# Altium PCB PCB.PcbDoc (part 1 of 7) (continued)
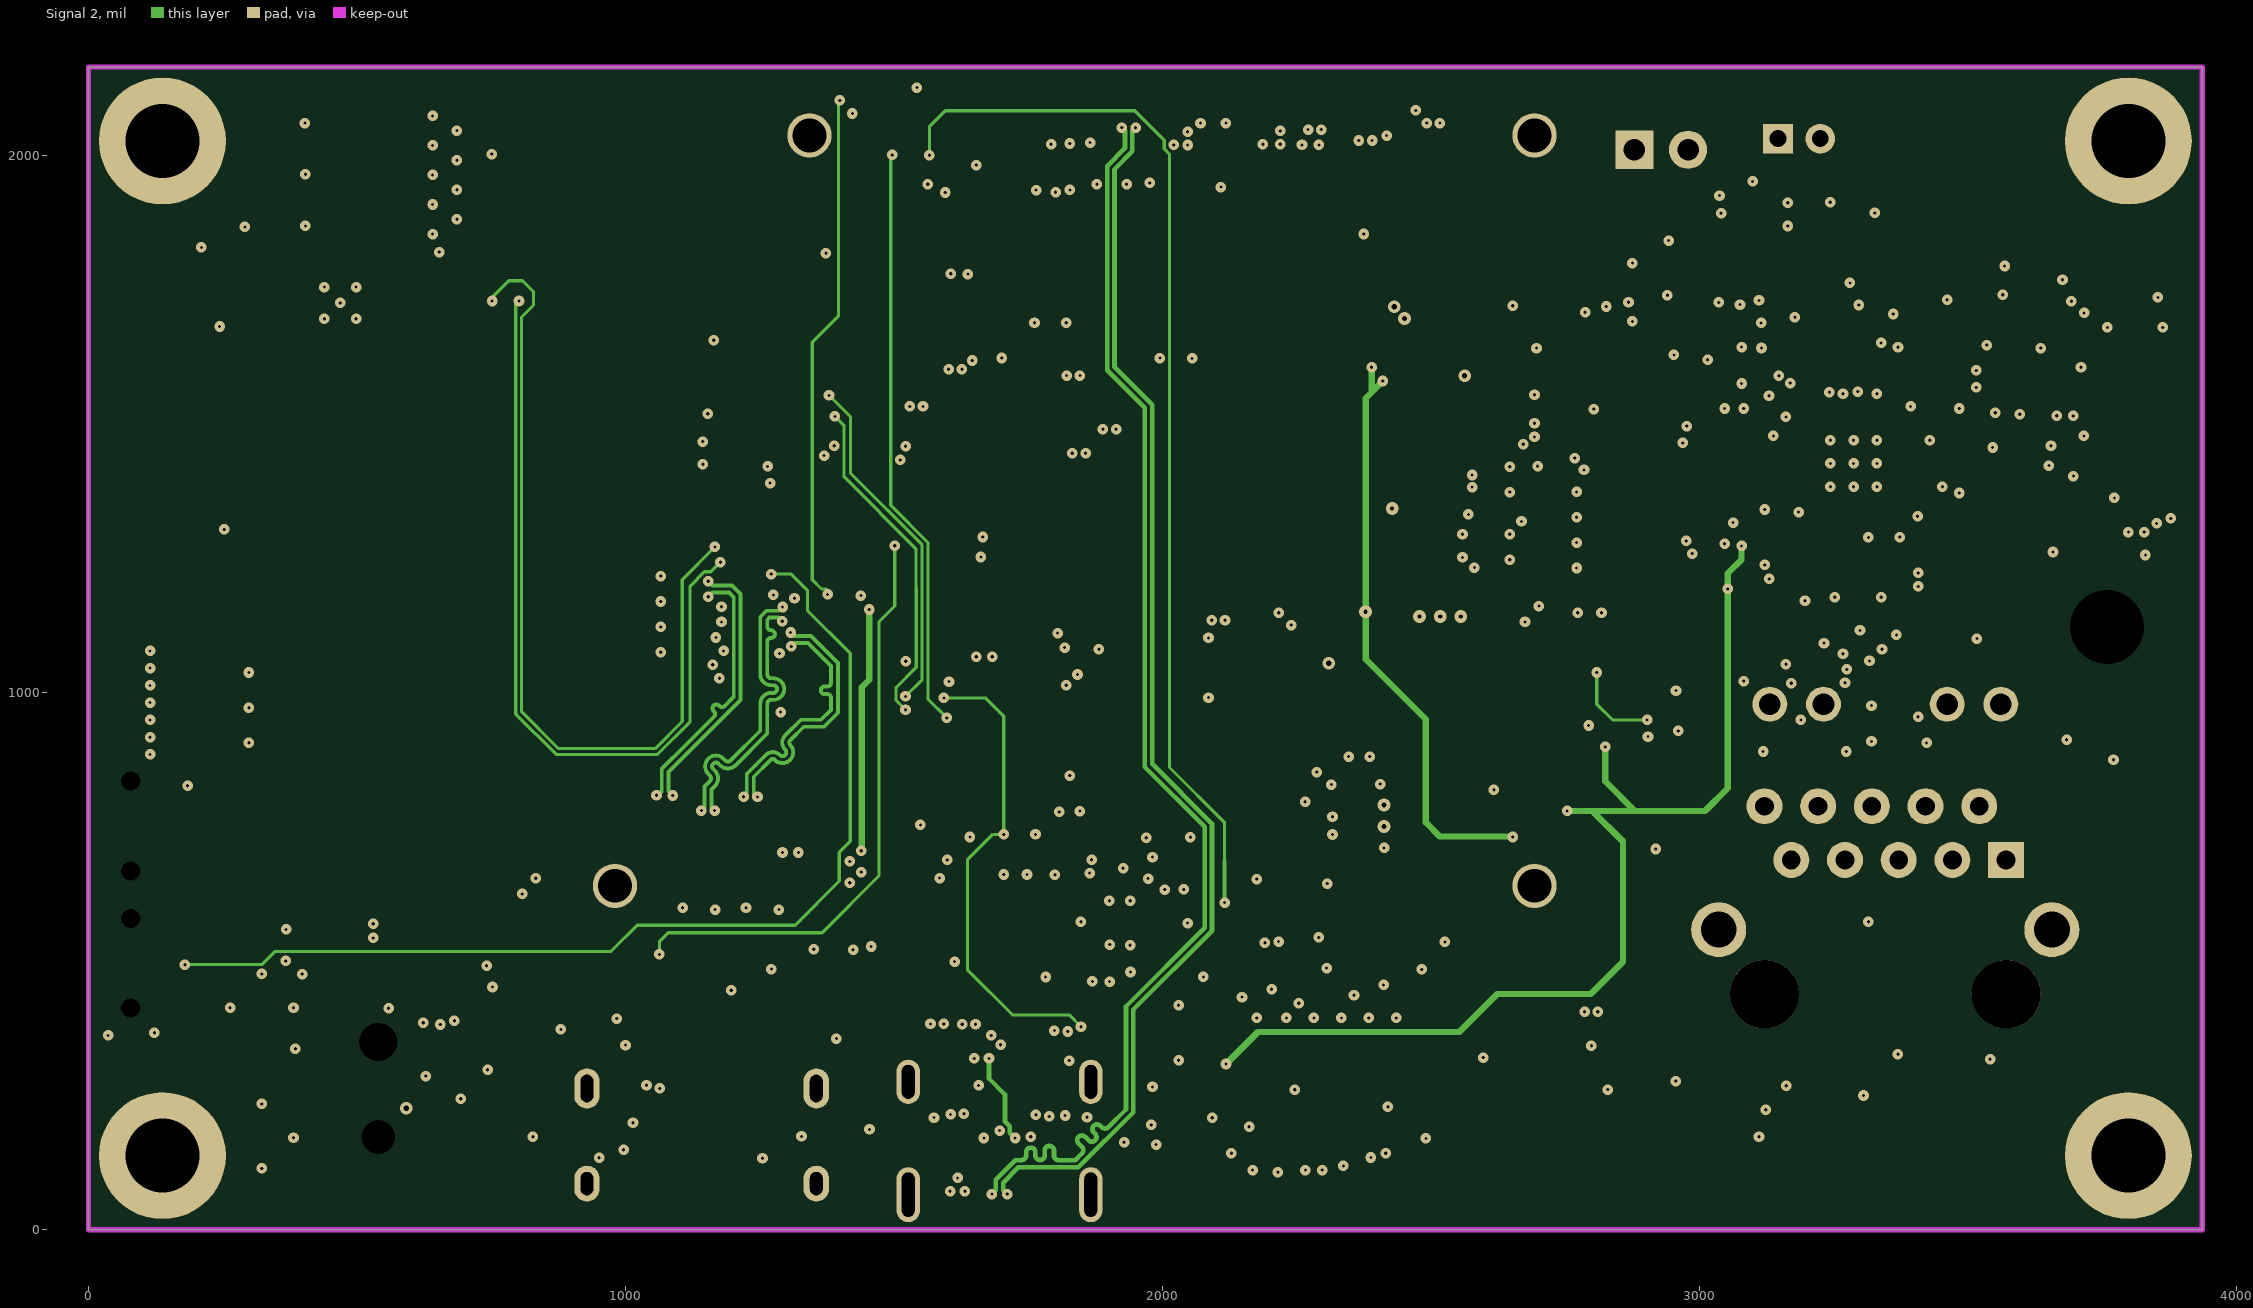
[diagram p4: Signal 2]
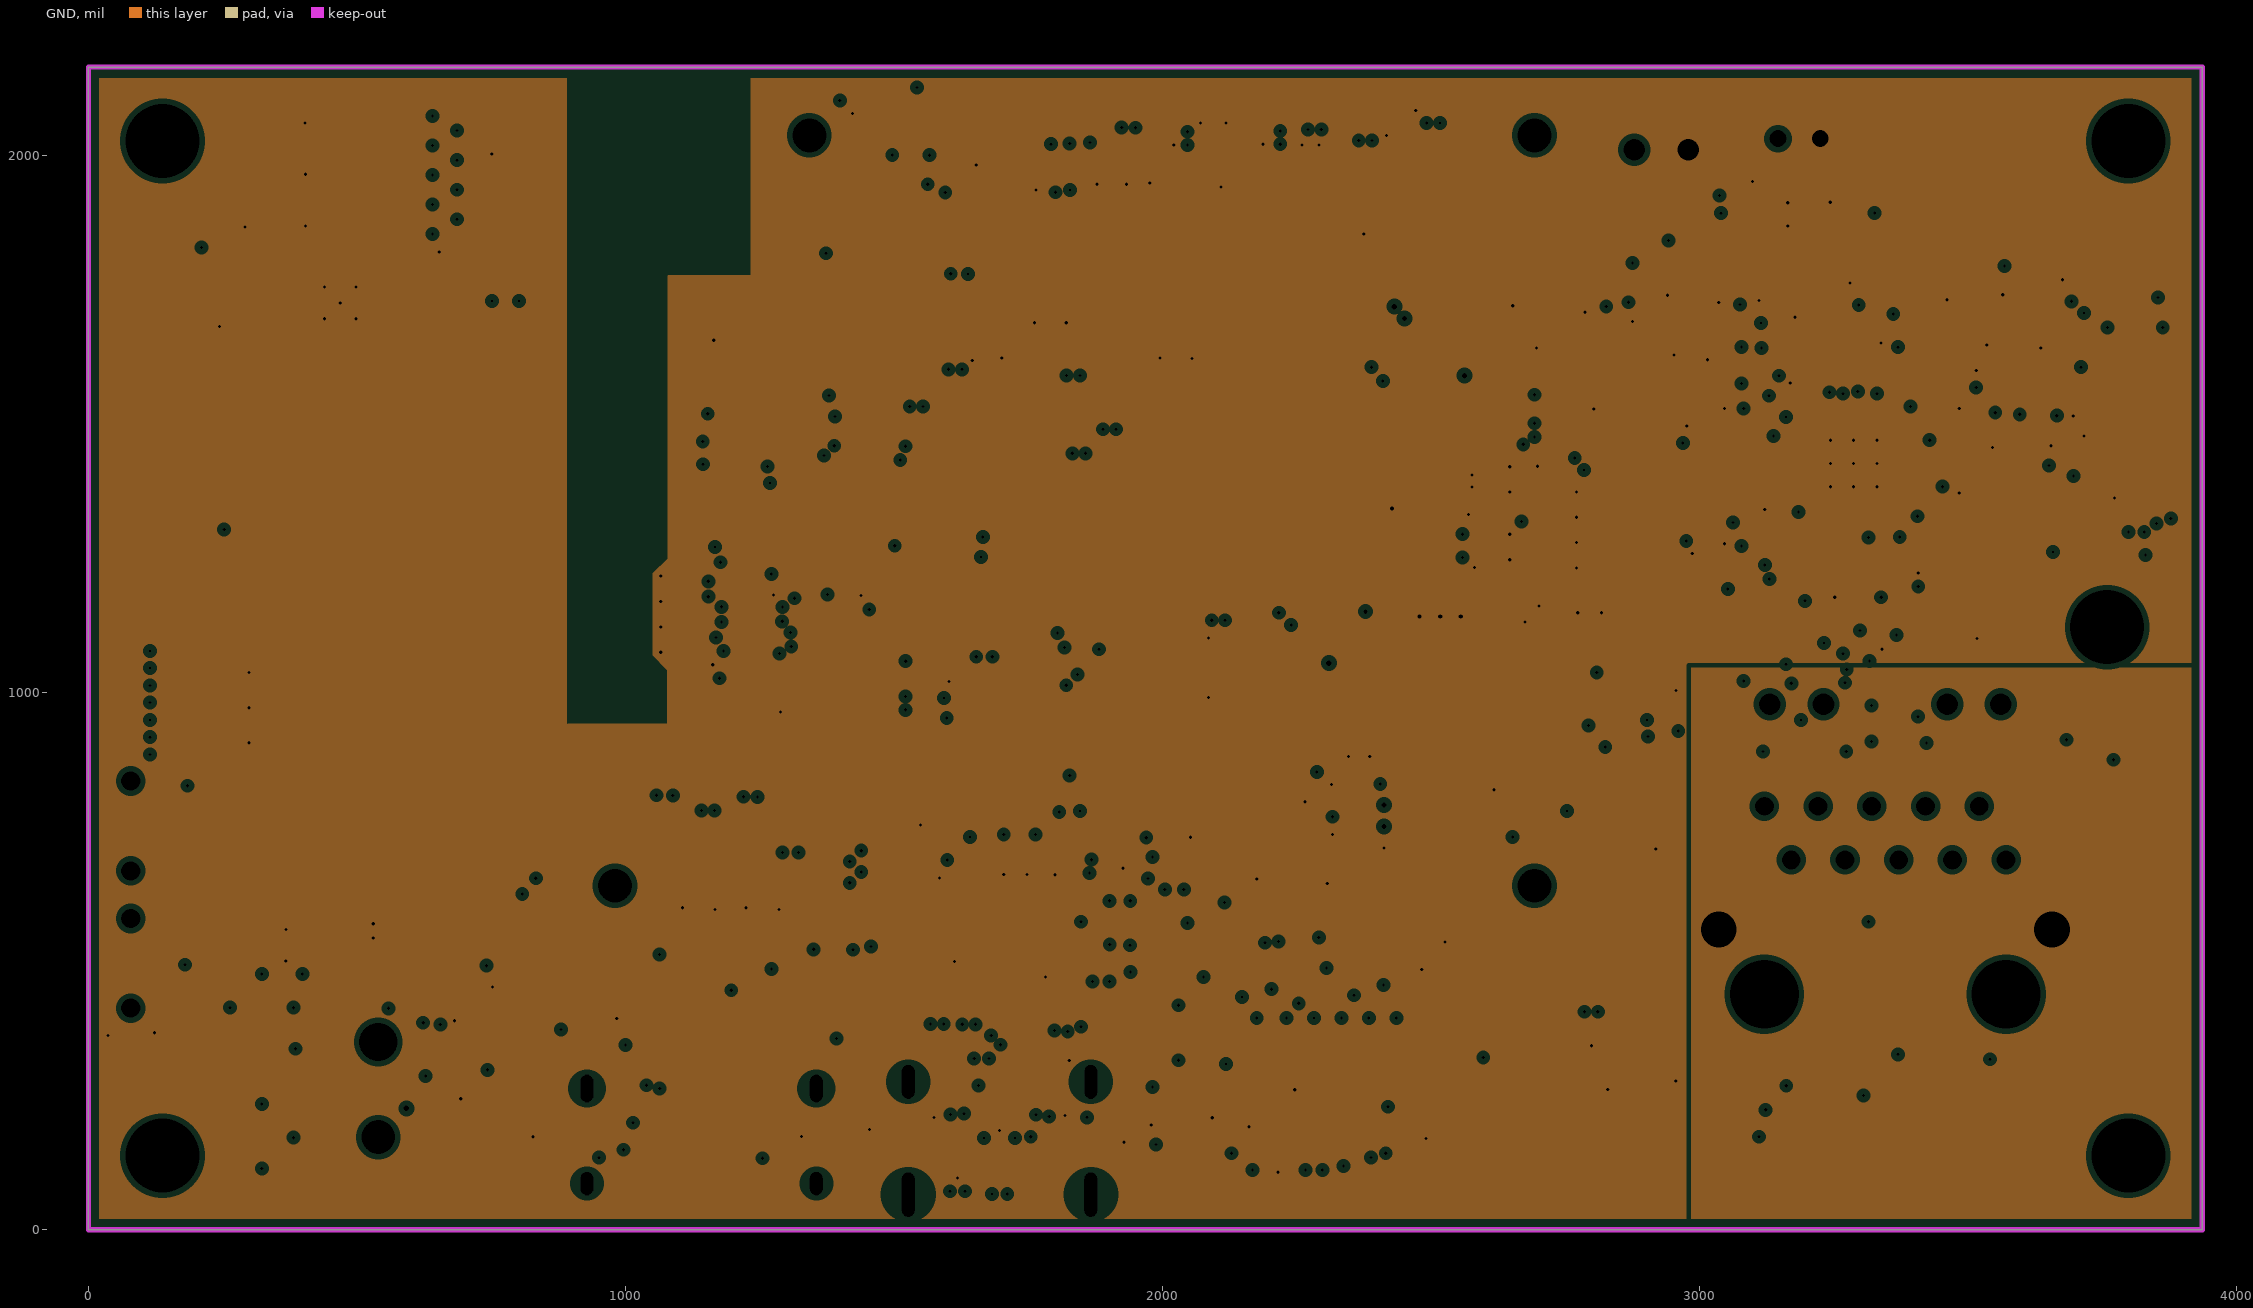
[diagram p5: GND, clearances drawn from the general rule]
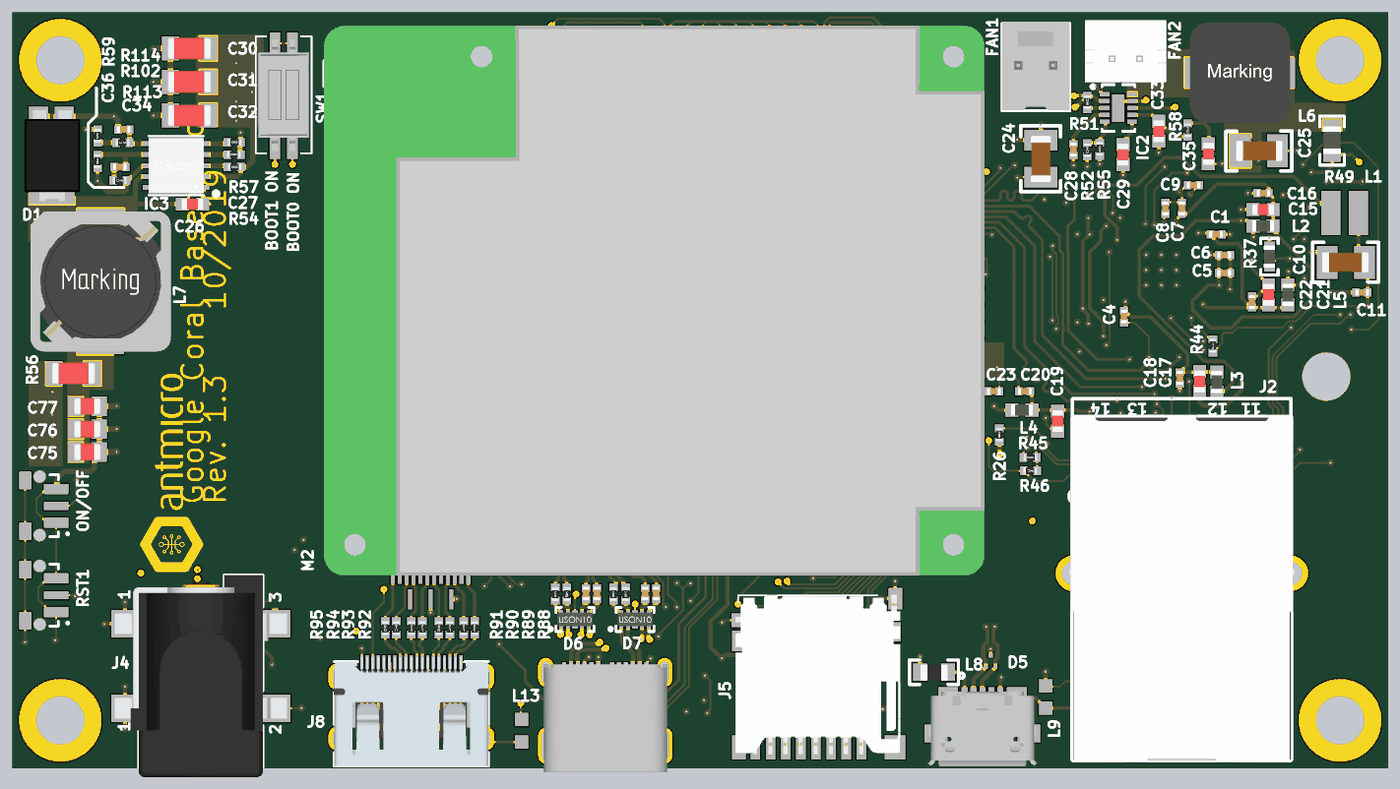
[diagram p12: 3D render of the assembled board from above, using the file's embedded part models]
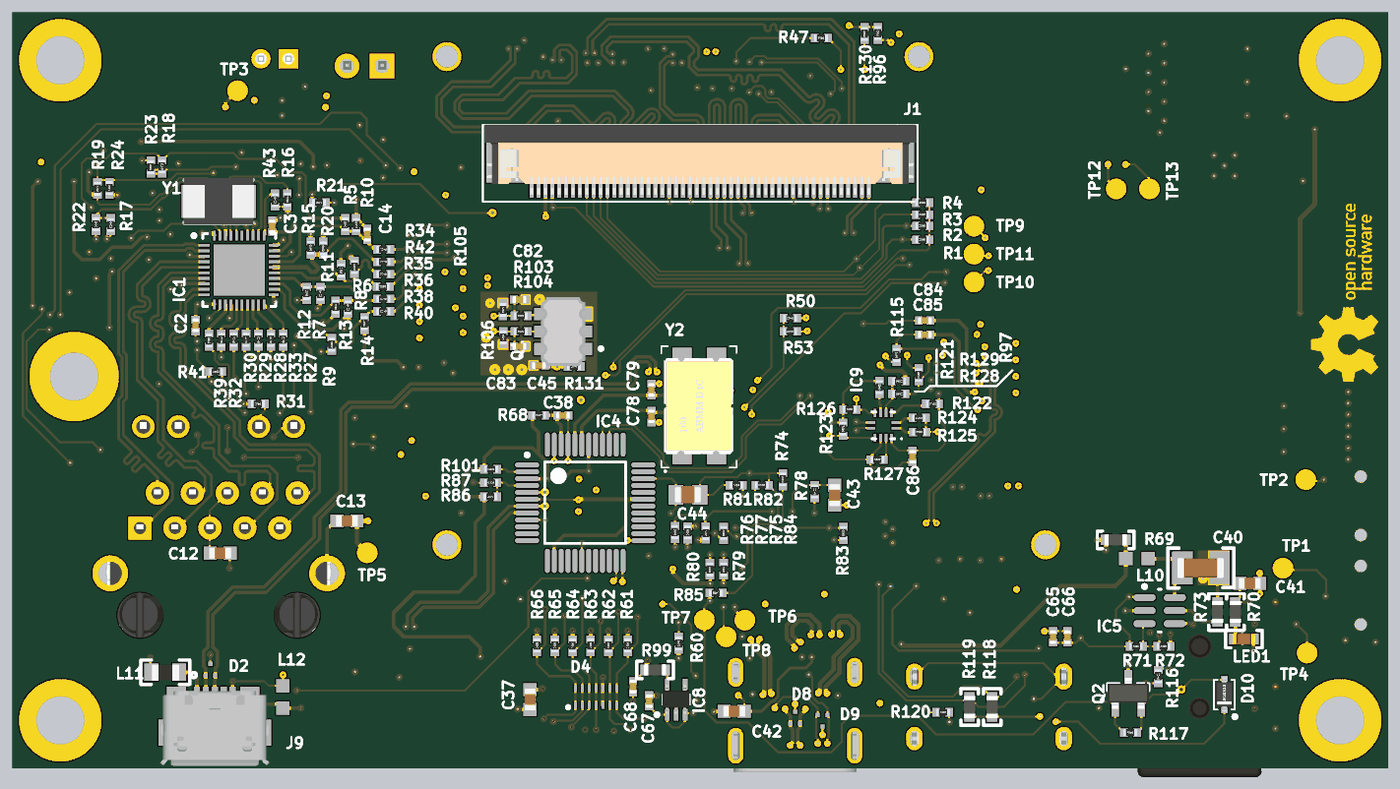
[diagram p13: 3D render of the assembled board from below, using the file's embedded part models]

## Layer stack, top to bottom
Top Solder: solder mask 0.3937, Solder Resist, Dk 3.5
Top: signal copper 1.378
Dielectric 1: prepreg 9.4488, PR2116, Dk 4.26
PWR: plane copper 1.378, net (Multiple Nets)
Dielectric 3: core 14.1732, FR4, Dk 4.2
Signal 1: signal copper 1.378
Dielectric 6: prepreg 9.4488, PR2116, Dk 4.26
Signal 2: signal copper 1.378
Dielectric 5: core 14.1732, FR4, Dk 4.2
GND: plane copper 1.378, net (Multiple Nets)
Dielectric 4: prepreg 9.4488, PR2116, Dk 4.26
Bottom: signal copper 1.378
Bottom Solder: solder mask 0.3937, Solder Resist, Dk 3.5

## Board outline
0,0 3937.01,0 3937.01,2165.35 0,2165.35

## Design rules (kind name [scope] priority, off if disabled: settings)
Clearance [All] p1: gap=4.92
DiffPairsRouting DiffPairsRouting_100 [InNetClass('Z_100')] p1: maxlimit=5.91 minlimit=5 mostfreqgap=5.91 toplayer_maxgap=5 toplayer_prefgap=5 toplayer_minwidth=7.87 toplayer_maxwidth=7.87 toplayer_prefwidth=7.87 midlayer1_mingap=5.91 midlayer1_minwidth=7.09 midlayer1_maxwidth=7.09 midlayer1_prefwidth=7.09 midlayer2_mingap=5.91 midlayer2_minwidth=7.09 midlayer2_maxwidth=7.09 midlayer2_prefwidth=7.09 bottomlayer_maxgap=5 bottomlayer_prefgap=5 bottomlayer_minwidth=7.87 bottomlayer_maxwidth=7.87 bottomlayer_prefwidth=7.87 maxuncoupledlength=500
DiffPairsRouting DiffPairsRouting_90 [InNetClass('Z_90')] p2: maxlimit=5 minlimit=5 mostfreqgap=5 toplayer_minwidth=9.84 toplayer_maxwidth=9.84 toplayer_prefwidth=9.84 midlayer1_minwidth=8.66 midlayer1_maxwidth=8.66 midlayer1_prefwidth=8.66 midlayer2_minwidth=8.66 midlayer2_maxwidth=8.66 midlayer2_prefwidth=8.66 bottomlayer_minwidth=9.84 bottomlayer_maxwidth=9.84 bottomlayer_prefwidth=9.84 maxuncoupledlength=500
HoleSize [All] p1: absolutevalues=TRUE maxlimit=157.48 minlimit=5.91 maxpercent=80.000 minpercent=20.000
MinimumAnnularRing [All] p1: minimumring=4.13
MinimumSolderMaskSliver [All] p1: minsoldermaskwidth=0
PlaneClearance [All] p1: clearance=10
PlaneConnect [All] p1: planeconnectstyle=Direct reliefexpansion=20 reliefentries=4 reliefconductorwidth=10 reliefairgap=10
PolygonConnect PolygonConnect_via [isVia] p1: connectstyle=Direct reliefconductorwidth=10 reliefentries=4 polygonreliefangle="90 Angle" airgapwidth=10
PolygonConnect [All] p2: connectstyle=Direct reliefconductorwidth=15.75 reliefentries=4 polygonreliefangle="90 Angle" airgapwidth=10
RoutingVias [All] p1: holewidth=5.91 width=19.68 viastyle="Through Hole" minholewidth=5.91 minwidth=19.68 maxholewidth=9.84 maxwidth=23.62
SilkToSilkClearance [All] p1: silktosilkclearance=8
SilkToSolderMaskClearance [IsPad] p1: minsilkscreentomaskgap=3 clearancetoexposedcopper=TRUE
SolderMaskExpansion ViaTenting [isVia] p1: expansion=-9.84
SolderMaskExpansion [All] p2: expansion=4
Width [not inNet('No Net')] p1: maxlimit=78.74 minlimit=5.9 preferedwidth=8 toplayer_prefwidth=5.91 bottomlayer_maxwidth=15.75 bottomlayer_prefwidth=5.91 minimp=50.000000 maximp=50.000000 favimp=50.000000 checkconnectedcopper=TRUE
22 further rules are at their usual default settings.

## Classes and differential pairs
component class interfaces: C37 C45 C57 C58 C59 C60 C61 C62 C63 C64 C65 C66 C82 C83 C84 C85 D4 D10 IC7 J5 J8 L13 Q1 R60 R61 R62 R63 R64 R65 R66 R88 R89 R90 R91 R92 R93 R94 R95 R103 R104 R105 R106 R115 R118 R119 R120 R131
component class csi: J1 R1 R2 R3 R4
component class usb-debug: C38 C39 C40 C41 C42 C43 C44 C50 C52 C55 C56 C78 C79 C80 C81 C86 D2 D5 D6 D7 D8 D9 IC4 IC5 IC6 IC9 J6 J7 J9 L8 L9 L10 L11 L12 LED1 Q2 R68 R69 R70 R71 R72 R73 R74 R75 R76 R77 R78 R79 R80 R81 R82 R83 R84 R85 R86 R87 R98 R100 R101 R116 R117 R121 R122 R123 R124 R125 R126 R127 R128 R129 R132 R133 R134 R135 R136 R137 R138 TP6 TP7 TP8 Y2
component class ethernet: C1 C2 C3 C4 C5 C6 C7 C8 C9 C10 C11 C12 C13 C14 C15 C16 C17 C18 C19 C20 C21 C22 IC1 J2 L1 L2 L3 L4 L5 R5 R6 R7 R8 R9 R10 R11 R12 R13 R14 R15 R16 R17 R18 R19 R20 R21 R22 R23 R24 R26 R27 R28 R29 R30 R31 R32 R33 R34 R35 R36 R37 R38 R39 R40 R41 R42 R43 R44 R45 R46 Y1
component class SoM: C23 F1 JM0 JM1 JM3 M2 ON/off R47 R48 R50 R53 R67 R96 R97 R130 RST1 SW1 TP1 TP2 TP9 TP10 TP11 TP12 TP13
component class supply: C24 C25 C26 C27 C28 C29 C30 C31 C32 C33 C34 C35 C36 C67 C68 C75 C76 C77 D1 FAN1 FAN2 IC2 IC3 IC8 J4 L6 L7 R49 R51 R52 R54 R55 R56 R57 R58 R59 R99 R102 R113 R114 TP3 TP4 TP5
net class Z_100: CSI_1_CLK_N CSI_1_CLK_P CSI_1_D0_N CSI_1_D0_P CSI_1_D1_N CSI_1_D1_P CSI_1_D2_N CSI_1_D2_P CSI_1_D3_N CSI_1_D3_P CSI_2_CLK_N CSI_2_CLK_P CSI_2_D0_N CSI_2_D0_P CSI_2_D1_N CSI_2_D1_P CSI_2_D2_N CSI_2_D2_P CSI_2_D3_N CSI_2_D3_P ENET_TRD0_N ENET_TRD0_P ENET_TRD1_N ENET_TRD1_P ENET_TRD2_N ENET_TRD2_P ENET_TRD3_N ENET_TRD3_P M_TMDS_CLK_C_N M_TMDS_CLK_C_P M_TMDS_D0_C_N M_TMDS_D0_C_P M_TMDS_D1_C_N M_TMDS_D1_C_P M_TMDS_D2_C_N M_TMDS_D2_C_P TMDS_CLK_C_N TMDS_CLK_C_P TMDS_CLK_N TMDS_CLK_P TMDS_D0_C_N TMDS_D0_C_P TMDS_D0_N TMDS_D0_P TMDS_D1_C_N TMDS_D1_C_P TMDS_D1_N TMDS_D1_P TMDS_D2_C_N TMDS_D2_C_P TMDS_D2_N TMDS_D2_P
net class Z_90: C_USB3_0_MUX1_RX_D_N C_USB3_0_MUX1_RX_D_P C_USB3_0_MUX1_TX_D_N C_USB3_0_MUX1_TX_D_P C_USB3_0_MUX2_RX_D_N C_USB3_0_MUX2_RX_D_P C_USB3_0_MUX2_TX_D_N C_USB3_0_MUX2_TX_D_P C_USBSS_RX_N C_USBSS_RX_P C_USBSS_TX_N C_USBSS_TX_P USB2_N USB2_P USB3_0_MUX1_RX_D_N USB3_0_MUX1_RX_D_P USB3_0_MUX1_TX_D_N USB3_0_MUX1_TX_D_P USB3_0_MUX2_RX_D_N USB3_0_MUX2_RX_D_P USB3_0_MUX2_TX_D_N USB3_0_MUX2_TX_D_P USB_D_N USB_D_P USB_OTG_N USB_OTG_P USBSS_RX_N USBSS_RX_P USBSS_TX_N USBSS_TX_P
net class Z_50: C_ENET_RD0 C_ENET_RD1 C_ENET_RD2 C_ENET_RD3 C_ENET_RD_CTL C_ENET_RXC C_ENET_TD0 C_ENET_TD1 C_ENET_TD2 C_ENET_TD3 C_ENET_TD_CTL C_ENET_TXC ENET_RD0 ENET_RD1 ENET_RD2 ENET_RD3 ENET_RD_CTL ENET_RXC ENET_TD0 ENET_TD1 ENET_TD2 ENET_TD3 ENET_TD_CTL ENET_TXC
differential pair C_USB3_0_MUX1_RX_D: +C_USB3_0_MUX1_RX_D_P -C_USB3_0_MUX1_RX_D_N
differential pair USB_OTG: +USB_OTG_P -USB_OTG_N
differential pair M_TMDS_D2_C: +M_TMDS_D2_C_P -M_TMDS_D2_C_N
differential pair M_TMDS_D1_C: +M_TMDS_D1_C_P -M_TMDS_D1_C_N
differential pair TMDS_CLK_C: +TMDS_CLK_C_P -TMDS_CLK_C_N
differential pair TMDS_CLK: +TMDS_CLK_P -TMDS_CLK_N
differential pair TMDS_D0_C: +TMDS_D0_C_P -TMDS_D0_C_N
differential pair TMDS_D0: +TMDS_D0_P -TMDS_D0_N
differential pair TMDS_D1_C: +TMDS_D1_C_P -TMDS_D1_C_N
differential pair TMDS_D1: +TMDS_D1_P -TMDS_D1_N
differential pair TMDS_D2_C: +TMDS_D2_C_P -TMDS_D2_C_N
differential pair TMDS_D2: +TMDS_D2_P -TMDS_D2_N
differential pair CSI_1_CLK: +CSI_1_CLK_P -CSI_1_CLK_N
differential pair CSI_1_D0: +CSI_1_D0_P -CSI_1_D0_N
differential pair CSI_1_D1: +CSI_1_D1_P -CSI_1_D1_N
differential pair CSI_1_D2: +CSI_1_D2_P -CSI_1_D2_N
differential pair CSI_1_D3: +CSI_1_D3_P -CSI_1_D3_N
differential pair CSI_2_CLK: +CSI_2_CLK_P -CSI_2_CLK_N
differential pair CSI_2_D0: +CSI_2_D0_P -CSI_2_D0_N
differential pair CSI_2_D1: +CSI_2_D1_P -CSI_2_D1_N
differential pair CSI_2_D2: +CSI_2_D2_P -CSI_2_D2_N
differential pair CSI_2_D3: +CSI_2_D3_P -CSI_2_D3_N
differential pair C_USB3_0_MUX2_TX_D: +C_USB3_0_MUX2_TX_D_P -C_USB3_0_MUX2_TX_D_N
differential pair C_USBSS_RX: +C_USBSS_RX_P -C_USBSS_RX_N
differential pair C_USBSS_TX: +C_USBSS_TX_P -C_USBSS_TX_N
differential pair ENET_TRD0: +ENET_TRD0_P -ENET_TRD0_N
differential pair ENET_TRD1: +ENET_TRD1_P -ENET_TRD1_N
differential pair ENET_TRD2: +ENET_TRD2_P -ENET_TRD2_N
differential pair ENET_TRD3: +ENET_TRD3_P -ENET_TRD3_N
differential pair USB3_0_MUX1_RX_D: +USB3_0_MUX1_RX_D_P -USB3_0_MUX1_RX_D_N
differential pair USB3_0_MUX2_TX_D: +USB3_0_MUX2_TX_D_P -USB3_0_MUX2_TX_D_N
differential pair USB_D: +USB_D_P -USB_D_N
differential pair USBSS_RX: +USBSS_RX_P -USBSS_RX_N
differential pair USBSS_TX: +USBSS_TX_P -USBSS_TX_N
differential pair M_TMDS_CLK_C: +M_TMDS_CLK_C_P -M_TMDS_CLK_C_N
differential pair M_TMDS_D0_C: +M_TMDS_D0_C_P -M_TMDS_D0_C_N
differential pair USB2: +USB2_P -USB2_N
differential pair C_USB3_0_MUX1_TX_D: +C_USB3_0_MUX1_TX_D_P -C_USB3_0_MUX1_TX_D_N
differential pair C_USB3_0_MUX2_RX_D: +C_USB3_0_MUX2_RX_D_P -C_USB3_0_MUX2_RX_D_N
differential pair USB3_0_MUX1_TX_D: +USB3_0_MUX1_TX_D_P -USB3_0_MUX1_TX_D_N
differential pair USB3_0_MUX2_RX_D: +USB3_0_MUX2_RX_D_P -USB3_0_MUX2_RX_D_N

## Components (designator, comment, footprint, x,y, rotation, side; value= is the part's Value field where it differs from the comment)
C1 "100n" C_0402 3444.95,1529.42 r180 top
C2 "100n" C_0402 3412.35,1267.91 r90 bottom
C3 "100n" C_0402 3192.98,1553.04 r270 bottom
C4 "100n" C_0402 3181.17,1293.2 r90 top
C5 "100n" C_0402 3468.57,1418.73 r180 top
C6 "100n" C_0402 3468.57,1470.37 r180 top
C7 "100n" C_0402 3346.52,1604.23 r270 top
C8 "27p" C_0402 3299.28,1604.23 r270 top
C9 "27p" C_0402 3379.11,1670.2 r0 top
C10 "22u" 1210 3752.32,1449.22 r0 top
C11 "100n" C_0402 3861.56,1362.96 r0 top
C12 "10n" 0603#1 3342,616.54 r0 bottom
C13 "100p" 0603#1 2979.2,708.52 r180 bottom
C14 "10p" C_0402 2921.33,1529.42 r270 bottom
C15 "4u7" 0603#1 3578.81,1600.29 r0 top
C16 "100n" C_0402 3578.81,1647.53 r0 top
C17 "4u7" 0603#1 3397.33,1108.1 r90 top
C18 "100n" C_0402 3340.69,1117.56 r90 top
C19 "4u7" 0603#1 2991.23,994.48 r90 top
C20 "100n" C_0402 2896.26,1079.94 r0 top
C21 "4u7" 0603#1 3594.55,1356.19 r270 top
C22 "100n" C_0402 3547.31,1336.51 r270 top
C23 "100n" C_0402 2807.62,1079.56 r0 top
C24 "2u2" 1210 2942.98,1682.97 r90 top
C25 "22u" 1210 3629.9,1768.04 r180 top
C26 "100n" 0603#1 515.79,1615.97 r180 top
C27 "10n" 0402#1 635.29,1757.52 r180 top
C28 "1u" C_0402 3036.49,1771.14 r90 top
C29 "3n3" 0603#1 3178.22,1757.36 r90 top
C30 "2u2" 1206#1 506.85,2061.65 r0 top
C31 "2u2" 1206#1 506.85,1965.52 r0 top
C32 "2u2" 1206#1 506.85,1869.4 r0 top
C33 "470p" 0603#1 3280.58,1824.29 r90 top
C34 "4n7" 0402#1 308.23,1683.62 r180 top
C35 "2n2" 0603#1 3422.31,1759.77 r90 top
C36 "47p" 0402#2 244.22,1737.89 r270 top
C37 "1u" 0603#1 2455.47,197.42 r90 bottom
C38 "100n" C_0402 2362,1011 r180 bottom
C39 "100n" C_0402 2339,752 r270 top
C40 "100u" 1210 598.9,574.02 r180 bottom
C41 "1u" 0603#1 396.26,529.68 r0 bottom
C42 "10u" 0603#1 1871.38,163.63 r180 bottom
C43 "100n" 0603#1 1583.86,782.58 r270 bottom
C44 "47u" 0805#1 2003.94,783.46 r0 bottom
C45 "100n" C_0402 2429,1154 r0 bottom
C50 "100n" C_0402 1641.73,500 r90 top
C52 "100n" C_0402 1673.23,500 r90 top
C55 "100n" C_0402 1811.02,500 r90 top
C56 "100n" C_0402 1842.52,500 r90 top
C57 "100n" C_0402 1323.11,659.54 r270 top
C58 "100n" C_0402 1291.61,659.54 r270 top
C59 "100n" C_0402 1248.31,659.54 r270 top
C60 "100n" C_0402 1169.56,659.54 r270 top
C61 "100n" C_0402 1216.81,658.55 r270 top
C62 "100n" C_0402 1090.82,659.54 r270 top
C63 "100n" C_0402 1138.07,659.54 r270 top
C64 "100n" C_0402 1059.33,659.54 r270 top
C65 "4u7" C_0402 958.94,377.01 r270 bottom
C66 "4u7" C_0402 917.78,377.01 r270 bottom
C67 "1u" C_0402 2114.64,193.7 r270 bottom
C68 "1u" C_0402 2160.82,233.57 r90 bottom
C75 "47u" 0805#1 214.87,906 r180 top
C76 "47u" 0805#1 214.87,971.35 r180 top
C77 "47u" 0805#1 214.87,1036.9 r180 top
C78 "27p" C_0402 2108.09,1007.26 r90 bottom
C79 "27p" C_0402 2108.09,1084.79 r270 bottom
C80 "100n" C_0402 2352.48,829.75 r0 top
C81 "100n" C_0402 2287.77,812.97 r90 top
C82 "2p" C_0402 2484.87,1342.52 r0 bottom
C83 "2p" C_0402 2484.87,1208.66 r0 bottom
C84 "100n" C_0402 1326.84,1282.3 r180 bottom
C85 "100n" C_0402 1326.84,1242.2 r180 bottom
C86 "100n" C_0402 1361.03,893.43 r270 bottom
D1 "PDS760-13" PowerDI 112.33,1711.55 r90 top
D2 "TPD2E009DRTR" SOT-3 3370.11,282.8 r180 bottom
D4 "TPD6E05U06" TPD6E05U06_PASS 2266.5,205.29 r180 bottom
D5 "TPD2E009DRTR" SOT-3 2799.21,307.09 r0 top
D6 "TPD4E05U06" TPD4E05U06_PASS 1610.19,426.68 r0 top
D7 "TPD4E05U06" TPD4E05U06_PASS 1781.82,426.68 r0 top
D8 "TPD2E009DRTR" SOT-3 1696.87,145.36 r180 bottom
D9 "TPD2E009DRTR" SOT-3 1618.59,136.66 r0 bottom
D10 "1N4148WS" SOD-323 468.98,211.82 r0 bottom
F1 "Value" Fuse-1206 1429.01,900.21 r180 top
FAN1 "MX-22-23-2021" molex_2223-2021 2929.2,2011.26 r0 top
FAN2 "B2B-PH-K-S(LF)(SN)" B2B-PH-K-S(LF)(SN) 3185.98,2031.92 r0 top
IC1 "RTL8211F" RTL8211F 3287.47,1427.06 r180 bottom
IC2 "MAX17502GATB+" 10-TDFN 3164.79,1890.91 r0 top
IC3 "TPS54561-Q1" WSON-10_4x4 468.83,1726.02 r270 top
IC4 "FT2232D" LQFP-48 2297.61,760.86 r180 bottom
IC5 "NCP380HSNAJAAT1G" TSOP-6 654.02,451.98 r180 bottom
IC6 "HD3SS3220" RNH0030A 1748.03,661.42 r270 top locked
IC7 "TPD8S009" SON-15 1197.12,520.76 r0 top
IC8 "TLV70018DCKT" SC70-5 2063,153.98 r90 bottom
IC9 "PTN5150" PTN5150 1444.69,982.28 r0 bottom
J1 "68715014522" 68715014522 1953.46,1673.23 r0 bottom locked
J2 "7499110124" WE_7499110124 3346.46,708.66 r180 top locked
J4 "694106106102" 694106106102 539.69,172.28 r90 top locked
J5 "114-00841-68" 114-00841-68 2526.34,95.06 r0 top locked
J6 "47346-0001" CON-Molex-047346-0001#1 2624.99,169.5 r0 top
J7 "105450-0101" CON-Molex-105450-0101 1696.85,240.16 r0 top locked
J8 "685119136923" WE_685119136923 1142.01,162.49 r0 top locked
J9 "47346-0001" CON-Molex-047346-0001#2 3357.53,157.48 r90 bottom
JM0 "DF40HC(3.0)-100DS-0.4V(51)" DF40HC(3.0)-100DS-0.4V(51) 2674.73,1334.88 r0 top
JM1 "DF40HC(3.0)-100DS-0.4V(51)" DF40HC(3.0)-100DS-0.4V(51) 2063.31,2042.36 r270 top locked
JM3 "DF40HC(3.0)-100DS-0.4V(51)" DF40HC(3.0)-100DS-0.4V(51) 1166.46,1334.88 r0 top
L1 "ELLVGG4R7N" ELLVGG4R7N 3812.48,1590.59 r0 top
L2 "BLM18PG330SN1D" 0603#1 3578.81,1553.04 r0 top
L3 "BLM18PG330SN1D" 0603#1 3446.42,1106.54 r90 top
L4 "BLM18PG330SN1D" 0603#1 2888.86,1025.98 r0 top
L5 "BLM18PG330SN1D" 0603#1 3649.67,1356.19 r270 top
L6 "744777122" WE_744777122 3512.55,1992.05 r0 top
L7 "WE_7447798720" WE_7447798720 253.01,1394.44 r270 top
L8 "742792022" 0805#2 2677.17,275.59 r180 top
L9 "BLM18SG121TN1D" 0603#2 2956.69,204.72 r90 top
L10 "BLM18EG221SN1D" 0603#2 718.93,601.26 r0 bottom
L11 "742792022" 0805#2 3458.95,275.59 r0 bottom
L12 "BLM18SG121TN1D" 0603#2 3162.67,204.72 r90 bottom
L13 "BLM18AG601SN1D" 0603#2 1457.62,107.82 r90 top
LED1 "KPT-1608EC" LED0603 413.32,370.59 r180 bottom
M2 "Value" Edge-TPU-SOM-model 2063.31,2042.36 r180 top locked
ON/OFF "TL3340AF160QG" TL3340AF160QG 78.74,751.97 r270 top
Q1 "NX5427001Z" NX5427001Z 2361,1251 r90 bottom
Q2 "PMV32UP" SOT-23 744.09,215.28 r90 bottom
R1 "2k" 0402#1 1332.34,1513.89 r0 bottom
R2 "2k" 0402#1 1332.34,1553.38 r0 bottom
R3 "2k" 0402#1 1332.34,1585.63 r0 bottom
R4 "2k" 0402#1 1332.34,1620.18 r0 bottom
R5 "4k7" 0402#1 2984.32,1556.98 r90 bottom
R6 "4k7" 0402#1 2957.82,1434.87 r90 bottom
R7 "4k7" 0402#1 3055.18,1360.13 r270 bottom
R8 "4k7" 0402#1 2976.44,1320.76 r270 bottom
R9 "4k7" 0402#1 3022.9,1214.46 r270 bottom
R10 "4k7" 0402#1 2952.82,1556.98 r270 bottom
R11 "4k7" 0402#1 2996.13,1427.06 r270 bottom
R12 "4k7" 0402#1 3094.55,1360.13 r90 bottom
R13 "4k7" 0402#1 3011.88,1320.76 r90 bottom
R14 "4k7" 0402#1 2929.2,1273.52 r90 bottom
R15 "4k7" 0402#1 3082.74,1490.05 r90 bottom
R16 "10k" 0402#1 3149.67,1627.85 r90 bottom
R17 "4k7" 0402#1 3655.12,1556.99 r270 bottom
R18 "4k7" 0402#1 3508.03,1722.37 r90 bottom
R19 "4k7" 0402#1 3693.19,1660.72 r270 bottom
R20 "4k7" 0402#1 3047.31,1490.05 r270 bottom
R21 "4k7" 0402#1 3058.05,1620.03 r0 bottom
R22 "4k7" 0402#1 3697.29,1556.99 r90 bottom
R23 "4k7" 0402#1 3540.42,1722.39 r270 bottom
R24 "4k7" 0402#1 3658.85,1660.72 r90 bottom
R26 "0R" 0402#1 2824.16,954.9 r90 top
R27 "0R" 0402#1 3161.48,1226.27 r90 bottom
R28 "0R" 0402#1 3232.35,1226.27 r90 bottom
R29 "0R" 0402#1 3267.78,1226.27 r90 bottom
R30 "0R" 0402#1 3303.22,1226.27 r90 bottom